# KiCad board peripheral_board_v1a.kicad_pcb
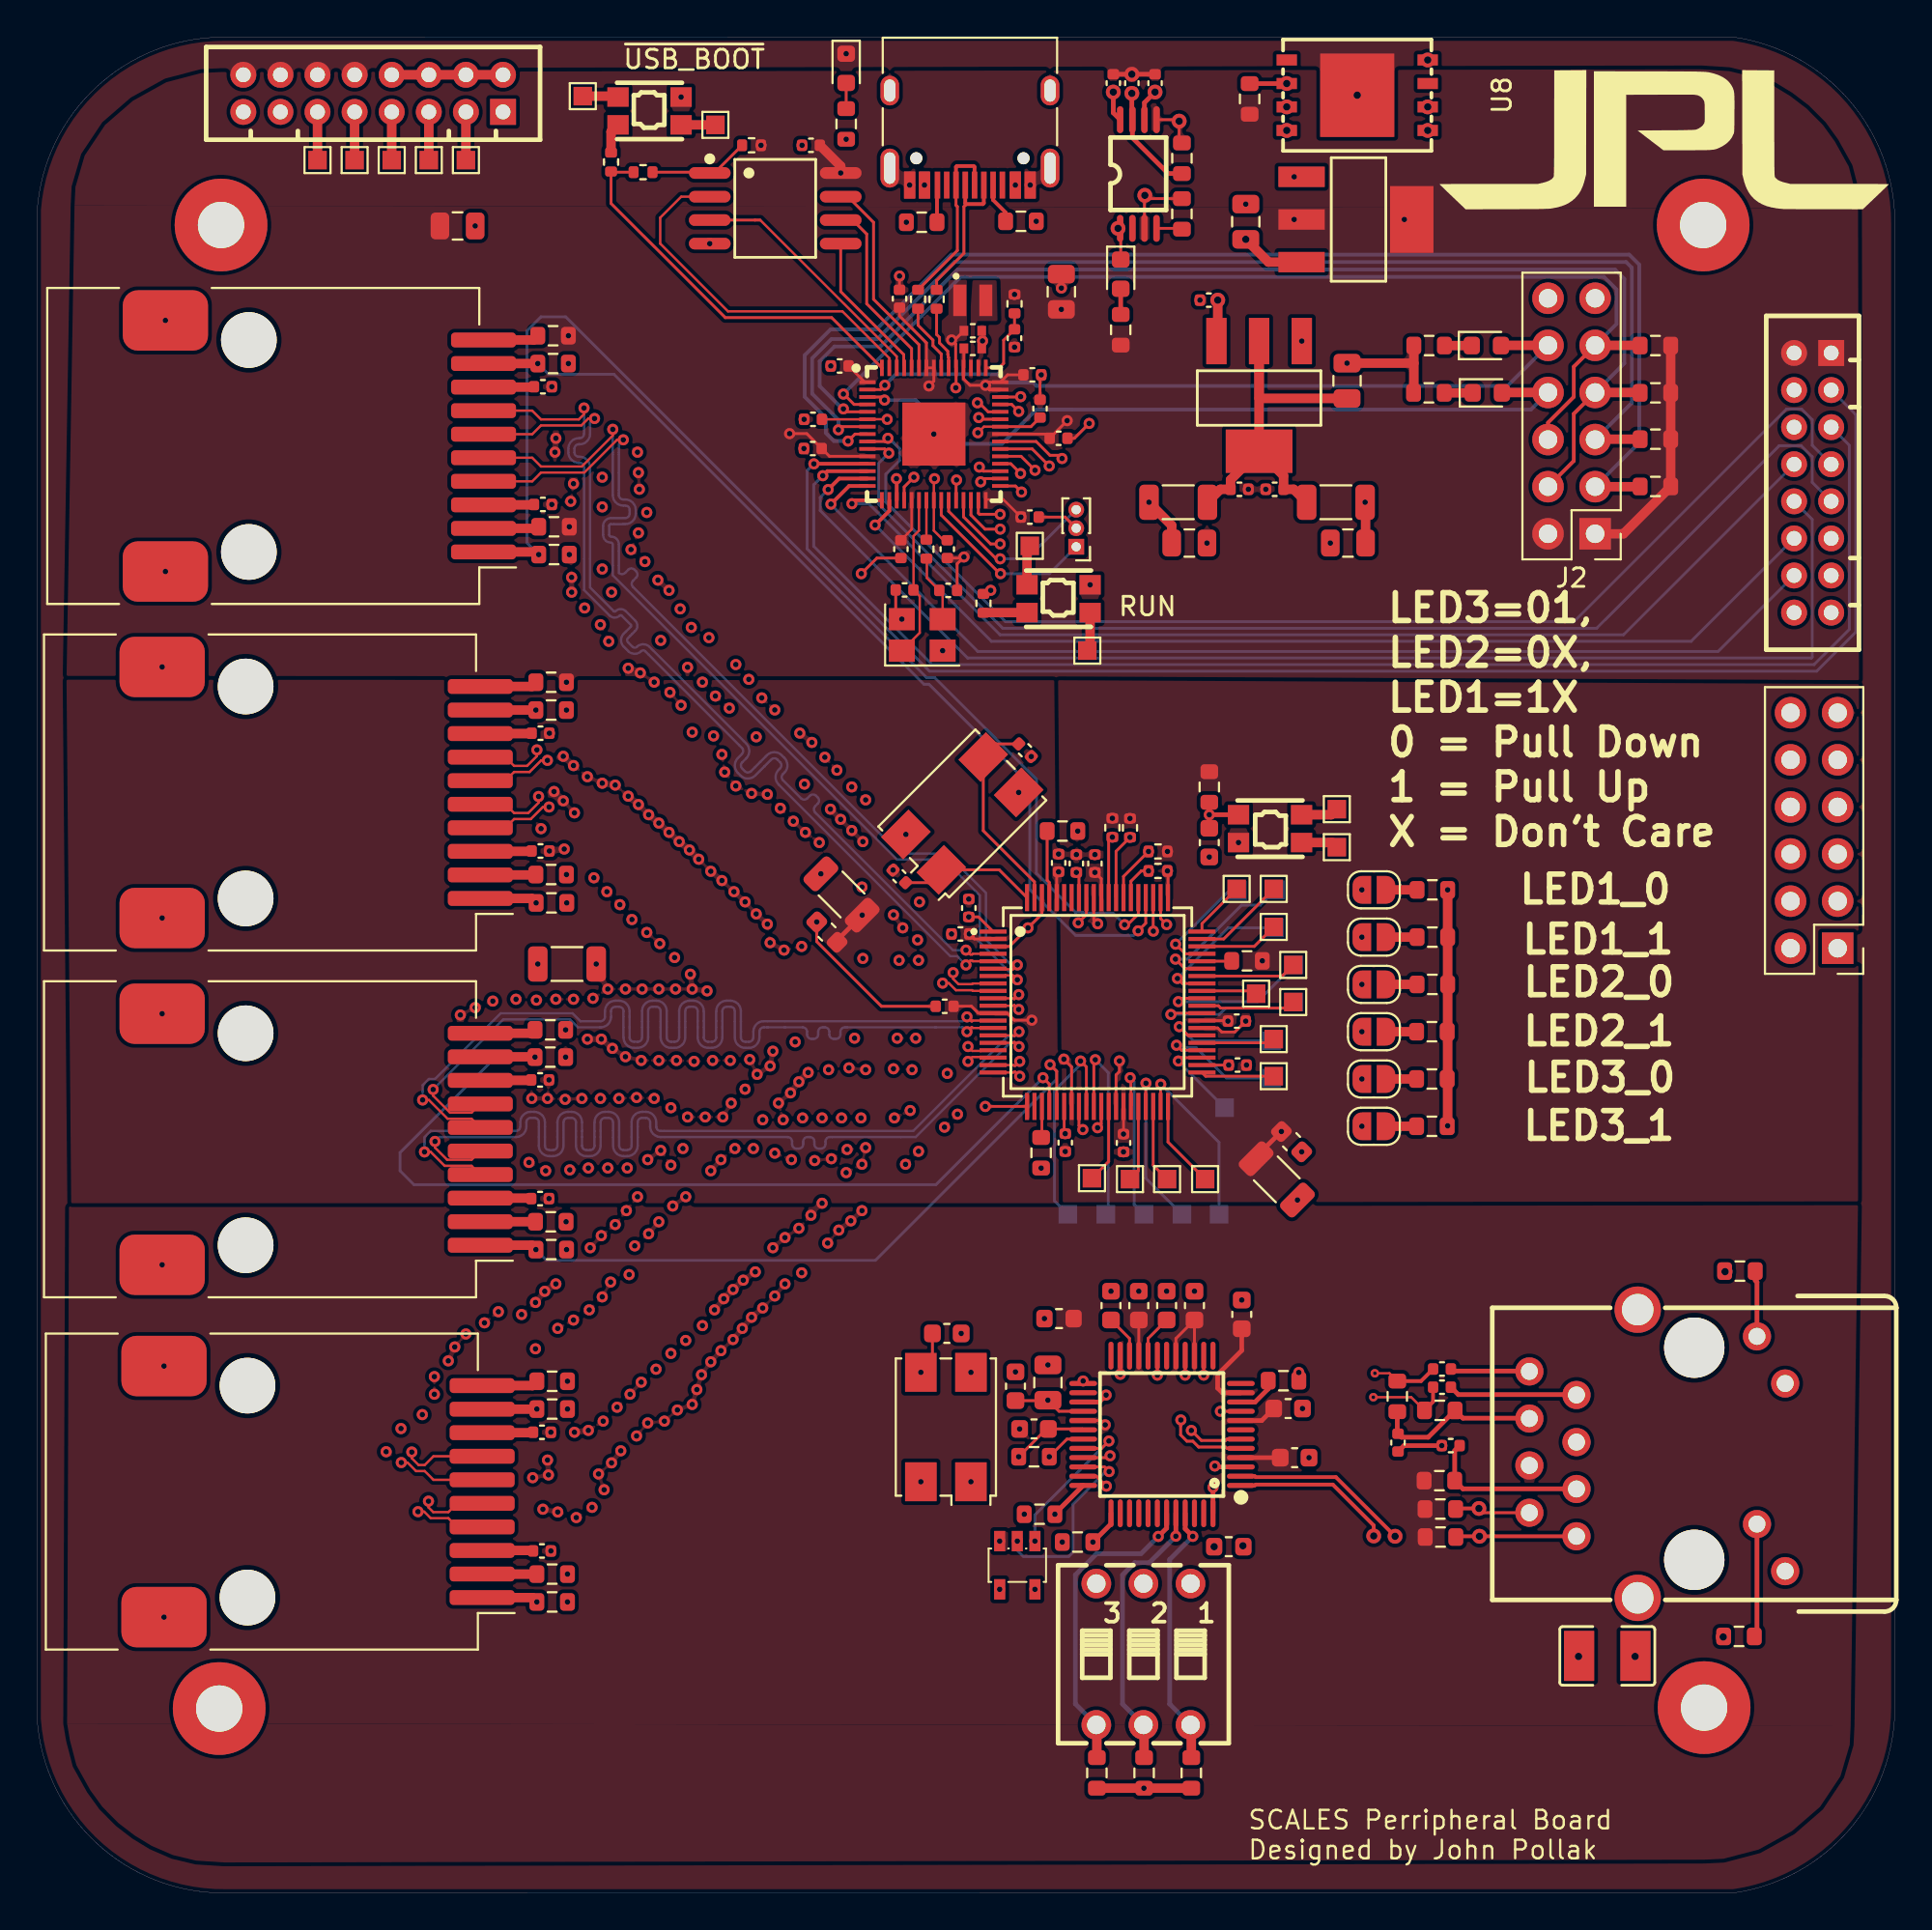
[diagram p0: board, top side]
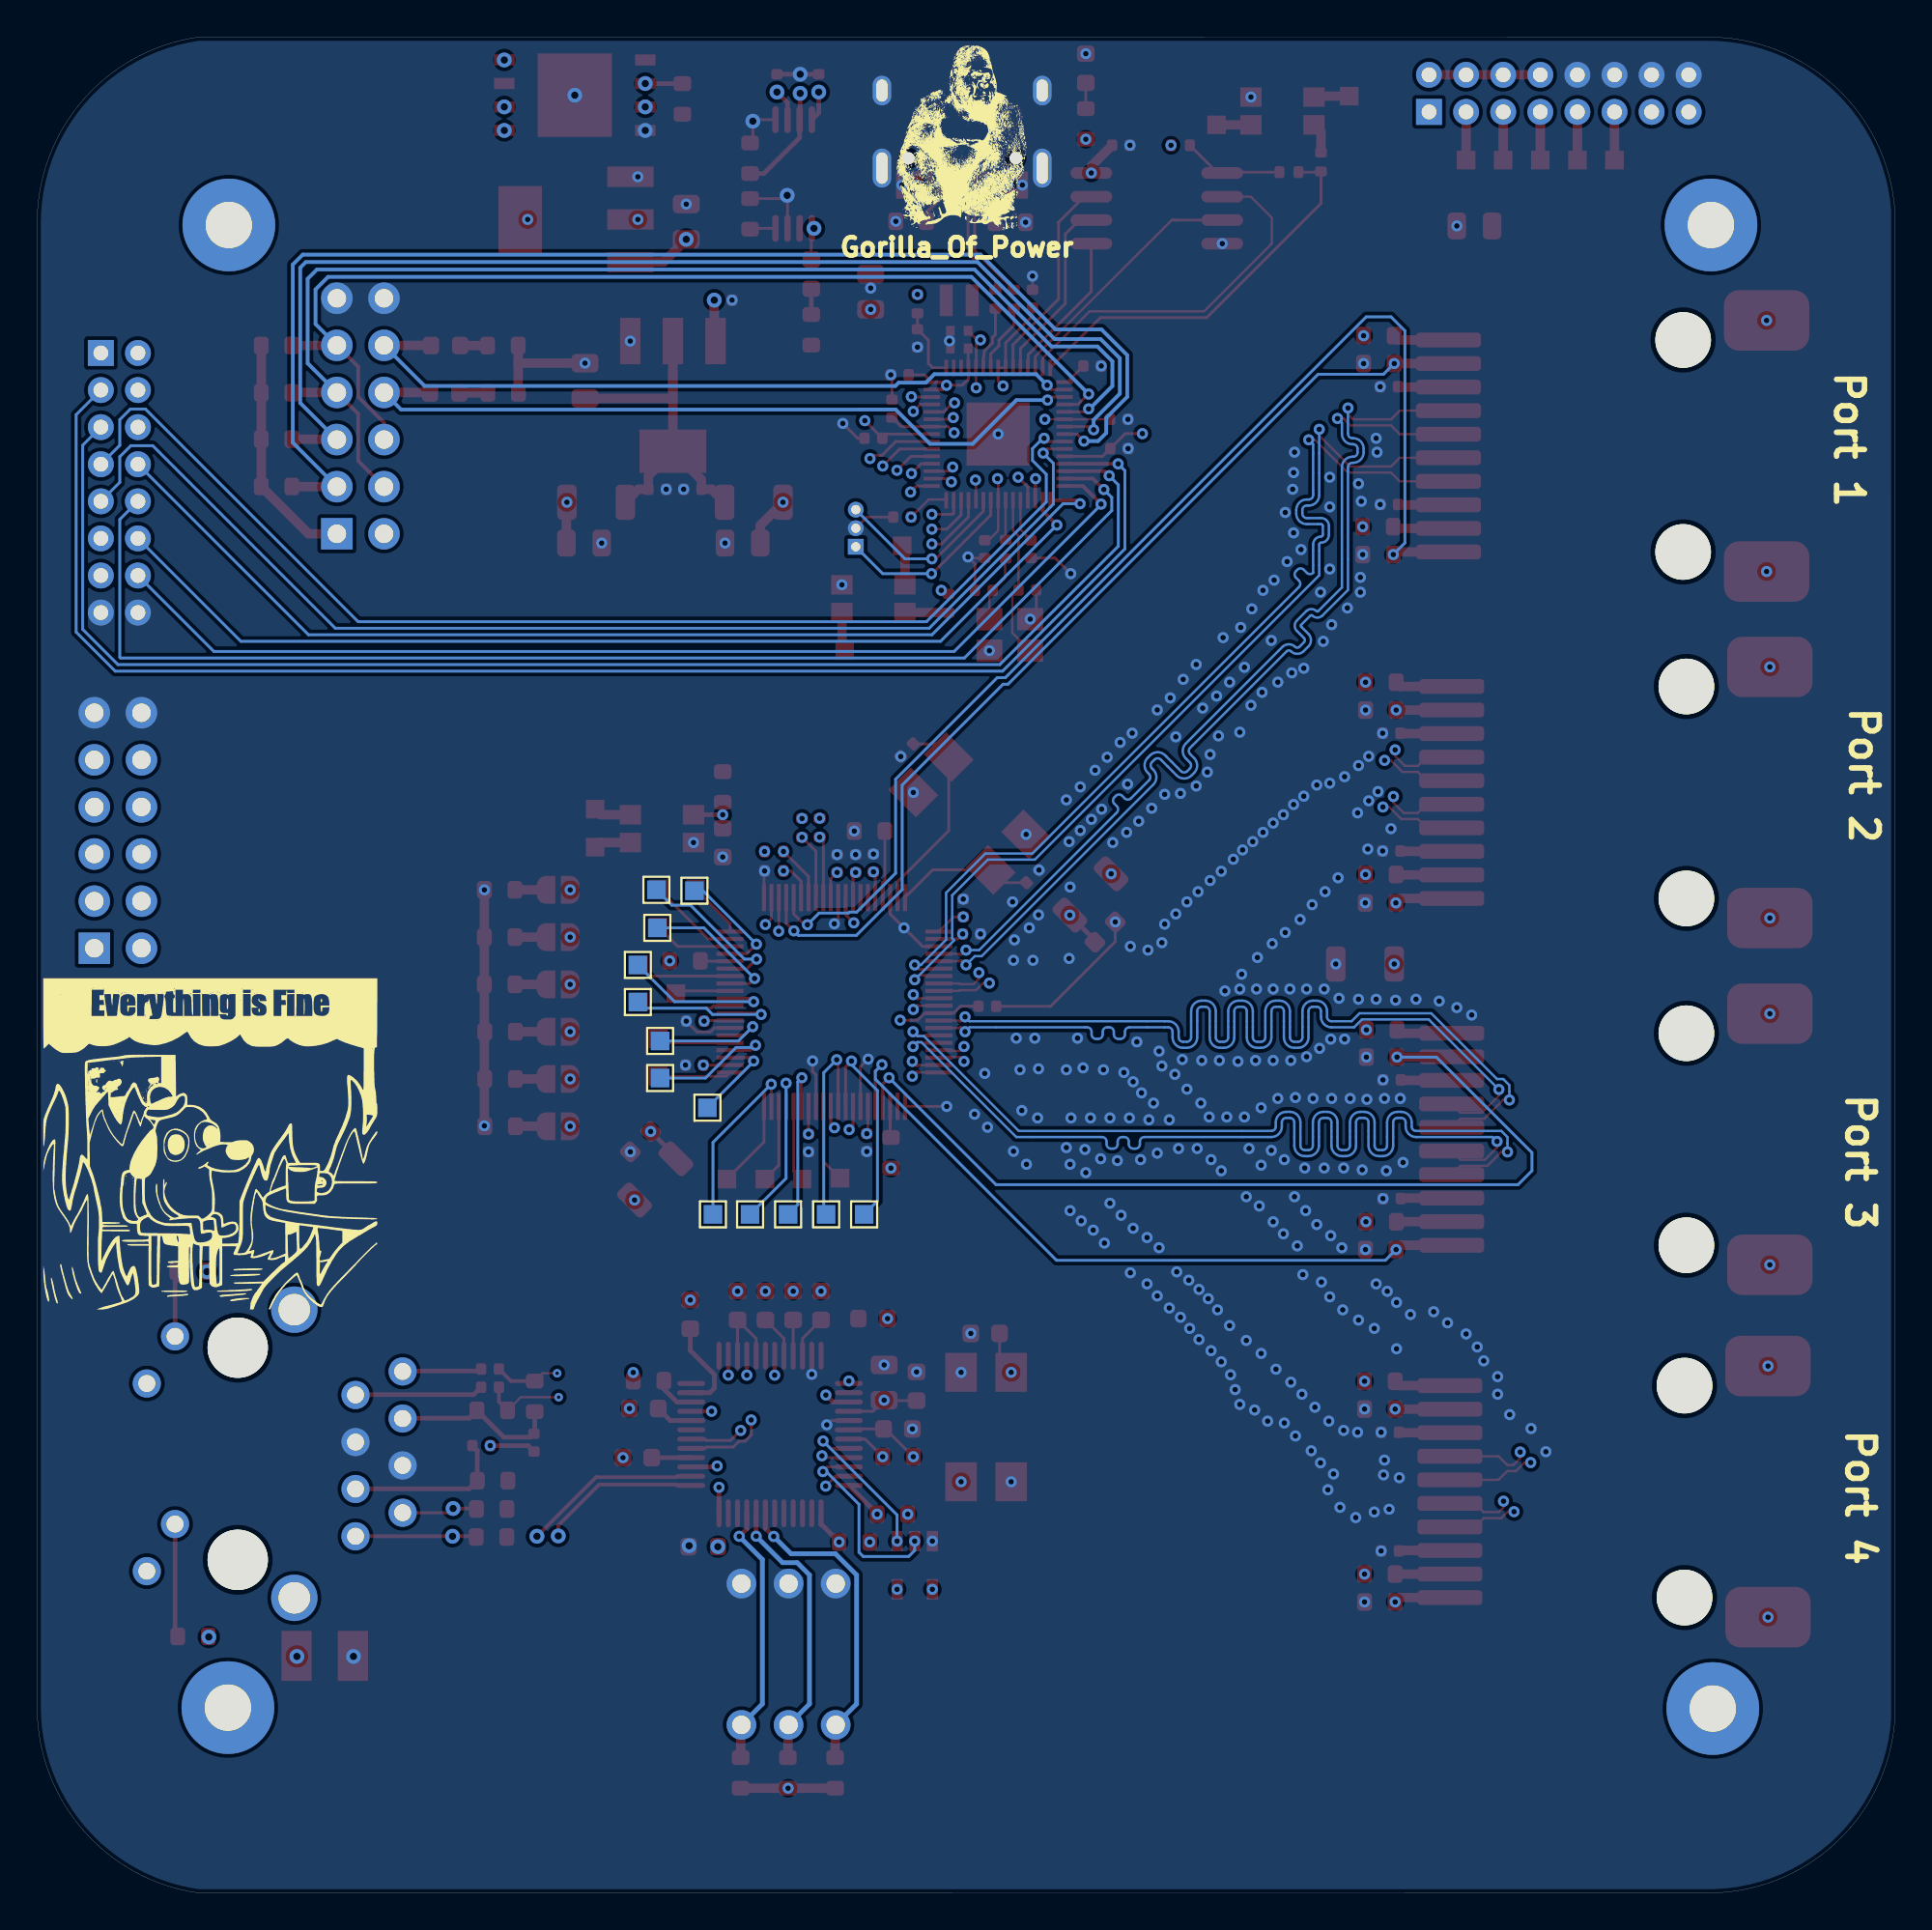
[diagram p1: board, bottom side, seen from below]

Outline 100.15 x 100.08 mm; copper layers: F.Cu_SIG, In1.Cu_GND, In2.Cu_PWR, In3.Cu_SIG, In4.Cu_GND, B.Cu_SIG. Coordinates in mm from the lower left corner of the outline.
Outline path: 0,9.38 0,90.73 arc(3.2,97.38) 10.08,100.08 91.46,100.07 arc(97.69,96.67) 100.15,90 100.15,10.03 arc(97.67,3.39) 91.45,0 10.18,0 arc(3.22,2.67) 0,9.38
Stack: F.Cu_SIG 0.035mm / dielectric 0.1mm FR4 er 4.5 / In1.Cu_GND 0.035mm / dielectric 0.535mm FR4 er 4.5 / In2.Cu_PWR 0.035mm / dielectric 0.1mm FR4 er 4.5 / In3.Cu_SIG 0.035mm / dielectric 0.535mm FR4 er 4.5 / In4.Cu_GND 0.035mm / dielectric 0.1mm FR4 er 4.5 / B.Cu_SIG 0.035mm

## Placement (name value [footprint] x y rotation side)
C1  4.7uF  [C_0402_1005Metric_small_pads]  50.44 83.29 0 top
C2  4.7uF  [C_0402_1005Metric_small_pads]  50.44 84.24 0 top
C3  100nF  [C_0402_1005Metric]  41.83 79.46 180 top
C4  15pF  [C_0402_1005Metric]  46.77 70.26 0 top
C5  15pF  [C_0402_1005Metric]  49.12 70.24 180 top
C6  4.7uF  [C_0402_1005Metric]  49.07 72.46 270 top
C7  4.7uF  [C_0402_1005Metric]  52.69 83.84 270 top
C8  100nF  [C_0402_1005Metric]  54.07 80.04 90 top
C9  100nF  [C_0402_1005Metric]  46.49 85.97 90 top
C10  100nF  [C_0402_1005Metric]  43.27 82.34 180 top
C11  100nF  [C_0402_1005Metric]  55.07 78.44 0 top
C12  100nF  [C_0402_1005Metric]  41.82 77.89 180 top
C13  100nF  [C_0402_1005Metric]  53.52 74.19 0 top
C14  100nF  [C_0402_1005Metric]  53.65 81.86 0 top
C15  100nF  [C_0402_1005Metric]  46.57 72.46 270 top
C16  10uF  [C_0805_2012Metric]  65.16 90.12 270 top
C17  22uF  [C_0805_2012Metric]  55.22 86.34 270 top
C18  10uF  [C_0805_2012Metric]  22.67 89.89 0 top
C19  100nF  [C_0402_1005Metric]  41.72 94.24 180 top
C20  10uF  [C_0603_1608Metric]  60.89 31.67 90 top
C21  100nF  [C_0603_1608Metric]  57.89 31.67 90 top
C22  10uF  [C_0805_2012Metric]  54.49 27.52 270 top
C23  100nF  [C_0603_1608Metric]  52.74 27.32 270 top
C24  100nF  [C_0603_1608Metric]  64.94 31.2 270 top
C25  100nF  [C_0603_1608Metric]  67.79 23.47 180 top
C26  18pF  [C_0603_1608Metric]  53.74 25.02 0 top
C27  100nF  [C_0603_1608Metric]  59.39 31.67 270 top
C28  100nF  [C_0603_1608Metric]  62.39 31.67 270 top
C29  18pF  [C_0603_1608Metric]  49.04 30.17 180 top
C30  10uF  [C_0603_1608Metric]  67.44 26.12 180 top
C31  10nF  [C_0402_1005Metric]  73.37 24.28 90 top
C32  6.8nF  [C_0402_1005Metric]  75.74 27.27 0 top
C33  6.8nF  [C_0402_1005Metric]  75.74 28.25 0 top
C34  1nF/2kV  [C1210]  84.65 12.78 180 top
C35  10nF  [C_0402_1005Metric]  76.21 24.12 0 top
C36  100nF  [C_0402_1005Metric]  55.43 40.46 90 top
C37  100nF  [C_0402_1005Metric]  58.57 40.44 90 top
C38  100nF  [C_0402_1005Metric]  49.78 51.71 0 top
C39  100nF  [C_0402_1005Metric]  48.93 47.81 0 top
C40  100nF  [C_0402_1005Metric]  50.23 53.11 270 top
C41  100nF  [C_0402_1005Metric]  55.07 55.54 270 top
C42  100nF  [C_0402_1005Metric]  56.03 55.51 270 top
C43  100nF  [C_0402_1005Metric]  64.72 44.64 180 top
C44  100nF  [C_0402_1005Metric]  57.03 55.51 270 top
C45  18pF  [C_0402_1005Metric]  46.48 54.82 135 top
C46  18pF  [C_0402_1005Metric]  53.26 61.62 315 top
C47  100nF  [C_0402_1005Metric]  64.68 47.01 180 top
C48  100nF  [C_0402_1005Metric]  63.17 85.89 0 top
C49  100uF  [C_0805_2012Metric]  70.62 81.54 270 top
C50  100nF  [C_0402_1005Metric]  64.82 75.69 180 top
C51  10uF  [C_0603_1608Metric]  63.19 56.64 270 top
C52  100nF  [C_0402_1005Metric]  66.72 75.69 0 top
C53  22uF  [C_0603_1608Metric]  42.58 51.81 135 top
C54  100uF  [C_0805_2012Metric]  62.12 72.79 180 top
C55  100uF  [C_0805_2012Metric]  70.67 72.79 0 top
C56  22uF  [C_0603_1608Metric]  67.63 40.51 315 top
C57  100nF  [C_0402_1005Metric]  27.27 74.87 0 top
C58  100nF  [C_0402_1005Metric]  27.27 81.22 0 top
C59  100nF  [C_0402_1005Metric]  27.14 56.19 0 top
C60  100nF  [C_0402_1005Metric]  27.14 62.54 0 top
C61  100nF  [C_0402_1005Metric]  27.12 37.44 0 top
C62  100nF  [C_0402_1005Metric]  27.12 43.84 0 top
C63  100nF  [C_0402_1005Metric]  27.22 18.44 0 top
C64  100nF  [C_0402_1005Metric]  27.22 24.84 0 top
C65  100nF  [C_0402_1005Metric]  58.02 97.59 90 top
C66  100nF  [C_0402_1005Metric]  60.27 97.59 90 top
C67  10uF  [C_0402_1005Metric]  59.02 97.59 270 top
CN1  Power Board Connector  [CONN-TH_DF11-16DP-2DSA-08]  18.12 97.04 0 top
CN2  DF11-16DP-2DSA(08)  [CONN-TH_DF11-16DP-2DSA-08]  95.72 76.04 90 top
D1  LED  [LED_0603_1608Metric]  43.62 98.39 270 top
D2  LED  [LED_0603_1608Metric]  78.18 80.89 0 top
D3  LED  [LED_0603_1608Metric]  78.13 83.44 0 top
D4  LED  [LED_0603_1608Metric]  58.42 87.29 270 top
FB1  HH-1M1608-121JT  [L_0603_1608Metric]  55.09 30.97 0 top
FB2  HH-1M1608-121JT  [L_0603_1608Metric]  64.24 18.67 180 top
FB3  FerriteBead  [L_1206_3216Metric]  28.57 50.09 0 top
FB4  FerriteBead  [L_1206_3216Metric]  61.52 74.99 180 top
FB5  FerriteBead  [L_1206_3216Metric]  43.37 53.84 315 top
FB6  FerriteBead  [L_1206_3216Metric]  70.02 74.99 0 top
FB7  FerriteBead  [L_1206_3216Metric]  66.83 38.48 135 top
G***  -  [LOGO]  87.72 94.54 0 top
G***#2  -  [LOGO]  90.82 40.39 180 bottom
Gorilla_Of_Power  -  [LOGO]  50.33 94.66 180 bottom
H1  MountingHole  [MountingHole_2.5mm_Pad]  9.92 89.94 0 top
H2  MountingHole  [MountingHole_2.5mm_Pad]  89.82 89.94 0 top
H3  MountingHole  [MountingHole_2.5mm_Pad]  89.87 9.99 0 top
H4  MountingHole  [MountingHole_2.5mm_Pad]  9.82 9.94 0 top
J1  Conn_01x03_Pin  [PinHeader_1x03_P1.00mm_Vertical]  56.02 72.59 180 top
J2  Conn_02x06_Odd_Even  [PinHeader_2x06_P2.54mm_Vertical]  83.99 73.29 180 top
J3  Conn_02x06_Odd_Even  [PinHeader_2x06_P2.54mm_Vertical]  97.07 50.94 180 top
J4  USB_C_Receptacle_USB2.0_16P  [USB_C_Receptacle_HRO_TYPE-C-31-M-12]  50.29 96.14 180 top
J5  RJ45_Pulse_JXD6-0001NL  [RJ45_Pulse_JXD6-0001NL_Horizontal]  12.19 78.03 180 top
J6  RJ45_Pulse_JXD6-0001NL  [RJ45_Pulse_JXD6-0001NL_Horizontal]  12.02 59.34 180 top
J7  RJ45_Pulse_JXD6-0001NL  [RJ45_Pulse_JXD6-0001NL_Horizontal]  12.02 40.64 180 top
J8  RJ45_Pulse_JXD6-0001NL  [RJ45_Pulse_JXD6-0001NL_Horizontal]  12.12 21.64 180 top
JP1  SolderJumper_2_Open  [SolderJumper-2_P1.3mm_Open_RoundedPad1.0x1.5mm]  72.07 54.09 0 top
JP2  SolderJumper_2_Open  [SolderJumper-2_P1.3mm_Open_RoundedPad1.0x1.5mm]  72.07 51.54 0 top  (not fitted)
JP3  SolderJumper_2_Open  [SolderJumper-2_P1.3mm_Open_RoundedPad1.0x1.5mm]  72.07 48.99 0 top
JP4  SolderJumper_2_Open  [SolderJumper-2_P1.3mm_Open_RoundedPad1.0x1.5mm]  72.07 46.44 0 top
JP5  SolderJumper_2_Open  [SolderJumper-2_P1.3mm_Open_RoundedPad1.0x1.5mm]  72.07 43.89 0 top  (not fitted)
JP6  SolderJumper_2_Open  [SolderJumper-2_P1.3mm_Open_RoundedPad1.0x1.5mm]  72.07 41.34 0 top
L1  3.3uH  [IND-SMD_L2.0-W1.6_AOTA-B201610S3R3-101-T]  50.39 85.93 0 top
R1  1k  [R_0402_1005Metric]  30.94 93.34 90 top
R2  33  [R_0402_1005Metric]  52.69 85.69 90 top
R3  1k  [R_0402_1005Metric]  51.02 69.54 270 top
R4  1k  [R_0402_1005Metric]  47.94 72.46 90 top
R5  27  [R_0402_1005Metric]  47.49 85.94 270 top
R6  27  [R_0402_1005Metric]  48.49 85.94 270 top
R7  4.7k  [R_0603_1608Metric]  87.24 75.84 0 top
R8  10k  [R_0603_1608Metric]  43.62 95.39 270 top
R9  4.7k  [R_0603_1608Metric]  87.24 78.39 0 top
R10  4.7k  [R_0603_1608Metric]  87.24 80.89 0 top
R11  1k  [R_0603_1608Metric]  75.03 80.89 180 top
R12  4.7k  [R_0603_1608Metric]  87.24 83.44 0 top
R13  1k  [R_0603_1608Metric]  75.04 83.44 180 top
R14  10k  [R_0603_1608Metric]  65.37 96.74 90 top
R15  0  [R_0402_1005Metric]  32.67 92.79 0 top
R16  5.1k  [R_0603_1608Metric]  53.04 90.14 180 top
R17  5.1k  [R_0603_1608Metric]  47.69 90.09 0 top
R18  12.4k  [R_0603_1608Metric]  67.19 27.62 180 top
R19  10k  [R_0603_1608Metric]  57.13 6.47 270 top
R20  10k  [R_0603_1608Metric]  59.68 6.47 270 top
R21  10k  [R_0603_1608Metric]  62.22 6.47 270 top
R22  4.7k  [R_0603_1608Metric]  56.09 18.92 180 top
R23  4.7k  [R_0603_1608Metric]  54.04 20.42 180 top
R25  1M  [R_0603_1608Metric]  53.74 23.52 0 top
R26  49.9  [R_0603_1608Metric]  75.62 26.02 180 top
R27  330  [R_0603_1608Metric]  91.8 33.53 180 top
R28  49.9  [R_0603_1608Metric]  73.33 26.78 90 top
R29  330  [R_0603_1608Metric]  91.75 13.83 0 top
R30  10  [R_0603_1608Metric]  75.6 22.23 180 top
R31  49.9  [R_0603_1608Metric]  75.65 20.7 180 top
R32  49.9  [R_0603_1608Metric]  75.66 19.19 180 top
R33  4.7k  [R_0603_1608Metric]  54.13 39.91 90 top
R34  4.7k  [R_0603_1608Metric]  65.23 50.26 180 top
R35  12.4k  [R_0603_1608Metric]  55.28 57.26 0 top
R36  10k  [R_0402_1005Metric]  57.97 57.44 90 top
R37  4.7k  [R_0402_1005Metric]  58.92 57.43 90 top
R38  10k  [R_0402_1005Metric]  60.43 56.16 0 top
R39  330  [R_0402_1005Metric]  60.43 55.11 180 top
R40  750  [R_0603_1608Metric]  75.22 54.09 0 top
R41  750  [R_0603_1608Metric]  75.22 51.54 0 top
R42  750  [R_0603_1608Metric]  75.22 48.99 0 top
R43  750  [R_0603_1608Metric]  75.19 46.44 0 top
R44  750  [R_0603_1608Metric]  75.19 43.89 0 top
R45  750  [R_0603_1608Metric]  75.19 41.34 0 top
R46  10k  [R_0603_1608Metric]  63.19 59.64 270 top
R47  1k  [R_0603_1608Metric]  27.82 83.97 0 top
R48  1k  [R_0603_1608Metric]  27.82 82.47 0 top
R49  1k  [R_0603_1608Metric]  27.87 73.67 0 top
R50  1k  [R_0603_1608Metric]  27.87 72.17 0 top
R51  1k  [R_0603_1608Metric]  27.71 65.29 0 top
R52  1k  [R_0603_1608Metric]  27.71 63.79 0 top
R53  1k  [R_0603_1608Metric]  27.71 54.92 0 top
R54  1k  [R_0603_1608Metric]  27.73 53.39 0 top
R55  1k  [R_0603_1608Metric]  27.67 46.54 0 top
R56  1k  [R_0603_1608Metric]  27.67 45.07 0 top
R57  1k  [R_0603_1608Metric]  27.69 36.19 0 top
R58  1k  [R_0603_1608Metric]  27.72 34.69 0 top
R59  1k  [R_0603_1608Metric]  27.77 27.59 0 top
R60  1k  [R_0603_1608Metric]  27.77 26.09 0 top
R61  1k  [R_0603_1608Metric]  27.77 17.19 0 top
R62  1k  [R_0603_1608Metric]  27.77 15.69 0 top
R63  10k  [R_0402_1005Metric]  38.52 94.24 180 top
R64  50  [R_0603_1608Metric]  61.72 93.54 270 top
R65  400  [R_0603_1608Metric]  61.72 90.54 270 top
R66  10k  [R_0603_1608Metric]  58.42 84.29 270 top
RJ1  RB1-125BAG1A  [RJ45-TH_RB1-125BAG1A]  87.35 23.68 90 top
SW1  EVPAA602W  [KEY-TH_4P-L3.5-W4.9-P2.80-LS4.3]  33.02 96.09 180 top
SW2  EVPAA602W  [KEY-TH_4P-L3.5-W4.9-P2.80-LS4.3]  55.07 69.79 180 top
SW3  3_Pin_Dip_Switch_DSWB03LHGET_C25503178  [SW-TH_DSWB03LHGET]  59.64 12.87 180 top
SW4  EVPAA602W  [KEY-TH_4P-L3.5-W4.9-P2.80-LS4.3]  66.47 57.39 0 top
TP1  TestPoint  [TestPoint_Pad_1.0x1.0mm]  56.62 66.99 180 top
TP2  TestPoint  [TestPoint_Pad_1.0x1.0mm]  36.57 95.34 0 top
TP3  TestPoint  [TestPoint_Pad_1.0x1.0mm]  29.42 96.89 0 top
TP4  TestPoint  [TestPoint_Pad_1.0x1.0mm]  53.52 72.64 0 top
TP5  TestPoint  [TestPoint_Pad_1.0x1.0mm]  23.12 93.44 180 top
TP6  TestPoint  [TestPoint_Pad_1.0x1.0mm]  21.12 93.44 180 top
TP7  TestPoint  [TestPoint_Pad_1.0x1.0mm]  19.12 93.44 180 top
TP8  TestPoint  [TestPoint_Pad_1.0x1.0mm]  17.12 93.44 180 top
TP9  TestPoint  [TestPoint_Pad_1.0x1.0mm]  15.12 93.44 180 top
TP10  TestPoint  [TestPoint_Pad_1.0x1.0mm]  55.57 36.59 0 bottom
TP11  TestPoint  [TestPoint_Pad_1.0x1.0mm]  57.62 36.59 0 bottom
TP12  TestPoint  [TestPoint_Pad_1.0x1.0mm]  56.87 38.54 0 top
TP13  TestPoint  [TestPoint_Pad_1.0x1.0mm]  59.67 36.59 0 bottom
TP14  TestPoint  [TestPoint_Pad_1.0x1.0mm]  58.92 38.49 0 top
TP15  TestPoint  [TestPoint_Pad_1.0x1.0mm]  61.72 36.59 0 bottom
TP16  TestPoint  [TestPoint_Pad_1.0x1.0mm]  60.92 38.49 0 top
TP17  TestPoint  [TestPoint_Pad_1.0x1.0mm]  63.72 36.59 0 bottom
TP18  TestPoint  [TestPoint_Pad_1.0x1.0mm]  62.97 38.49 0 top
TP19  TestPoint  [TestPoint_Pad_1.0x1.0mm]  64.67 54.14 0 top
TP20  TestPoint  [TestPoint_Pad_1.0x1.0mm]  66.67 54.14 0 top
TP21  TestPoint  [TestPoint_Pad_1.0x1.0mm]  66.67 52.09 0 top
TP22  TestPoint  [TestPoint_Pad_1.0x1.0mm]  64.72 54.04 180 bottom
TP23  TestPoint  [TestPoint_Pad_1.0x1.0mm]  66.77 54.09 180 bottom
TP24  TestPoint  [TestPoint_Pad_1.0x1.0mm]  67.72 50.04 0 top
TP25  TestPoint  [TestPoint_Pad_1.0x1.0mm]  66.72 52.04 180 bottom
TP26  TestPoint  [TestPoint_Pad_1.0x1.0mm]  65.72 48.49 0 top
TP27  TestPoint  [TestPoint_Pad_1.0x1.0mm]  67.77 50.04 180 bottom
TP28  TestPoint  [TestPoint_Pad_1.0x1.0mm]  67.72 48.04 0 top
TP29  TestPoint  [TestPoint_Pad_1.0x1.0mm]  67.77 48.04 180 bottom
TP30  TestPoint  [TestPoint_Pad_1.0x1.0mm]  66.57 45.94 180 bottom
TP31  TestPoint  [TestPoint_Pad_1.0x1.0mm]  66.67 46.04 0 top
TP32  TestPoint  [TestPoint_Pad_1.0x1.0mm]  66.57 43.94 180 bottom
TP33  TestPoint  [TestPoint_Pad_1.0x1.0mm]  64.02 42.34 180 bottom
TP34  TestPoint  [TestPoint_Pad_1.0x1.0mm]  66.67 44.04 0 top
TP35  TestPoint  [TestPoint_Pad_1.0x1.0mm]  70.07 58.44 0 top
TP36  TestPoint  [TestPoint_Pad_1.0x1.0mm]  70.07 56.39 180 top
U1  RP2350A_C42411118  [QFN-60_L7.0-W7.0-P0.40-TL-EP3.4]  48.34 78.67 0 top
U2  AZ1117CH-3.3TRG1  [SOT-223-3_L6.5-W3.4-P2.30-LS7.0-BR]  71.14 90.24 180 top
U3  W25Q128JVSIQTR  [SOIC-8_L5.3-W5.3-P1.27-LS8.0-BL]  39.79 90.84 270 top
U4  W5500  [LQFP-48_L7.0-W7.0-P0.50-LS9.0-BL]  60.64 24.72 90 top
U5  SN74AHC1G125DBVR  [SOT-23-5_L3.0-W1.7-P0.95-LS2.8-BR]  52.84 17.67 90 top
U6  KSZ8795CLXIC  [LQFP-80_L10.0-W10.0-P0.40-LS12.2-BL]  57.17 48.04 270 top
U7  AZ1117CH-1.2TRG1  [SOT-223-3_L6.5-W3.4-P2.30-LS7.0-BR]  65.88 80.71 90 top
U8  XTSDG08GWSIGA  [W-PDFN-8_L8.0-W6.0-P1.27-BL-EP]  71.17 96.94 270 top
U9  TPS2115APW  [TSSOP-8_L4.4-W3.0-P0.65-LS6.4-BL]  59.37 92.69 0 top
Y1  ABM8-272-T3  [Crystal_SMD_3225-4Pin_3.2x2.5mm]  47.72 67.84 0 top
Y2  25MHz  [Crystal_SMD_7050-4Pin_7.0x5.0mm]  48.99 25.12 90 top
Y3  ABMM-25.000MHZ-B2-T  [Crystal_SMD_7050-4Pin_7.0x5.0mm]  49.88 58.21 45 top

## Library data of the parts
C1 C2 C6 C7 = -: LCSC: C23733; ki_fp_filters: C_*
C3 C8-C15 C19 C65 C66 = -: LCSC: C1525; ki_fp_filters: C_*
C4 C5 = -: Description: Unpolarized capacitor; LCSC: C1548; ki_fp_filters: C_*
C16 C22 = -: Description: Unpolarized capacitor; LCSC: C1713; ki_fp_filters: C_*
C17 = -: Description: Unpolarized capacitor; LCSC: C5674; ki_fp_filters: C_*
C18 = -: LCSC: C1713; ki_fp_filters: C_*
C20 C30 = -: Description: Unpolarized capacitor; LCSC: C1691; ki_fp_filters: C_*
C21 C23-C25 C27 C28 = -: Description: Unpolarized capacitor; LCSC: C1590; ki_fp_filters: C_*
C26 C29 = -: Description: Unpolarized capacitor; LCSC: C1647; ki_fp_filters: C_*
C31 C35 = -: Description: Unpolarized capacitor; LCSC: C15195; ki_fp_filters: C_*
C32 C33 = -: Description: Unpolarized capacitor; LCSC: C1542; ki_fp_filters: C_*
C34 = -: Datasheet: https://lcsc.com/product-detail/Multilayer-Ceramic-Capacitors-MLCC-SMD-SMT_PSA-Prosperity-Dielectrics-FV32N102J202EFG_C692314.html; Description: 2kV 1nF C0G ±5% 1210 Multilayer Ceramic Capacitors MLCC - SMD/SMT ROHS; LCSC Part: C692314
C36-C44 C47 C48 C50 C52 C57-C64 = -: Description: Unpolarized capacitor; LCSC: C1525; ki_fp_filters: C_*
C45 C46 = -: Description: Unpolarized capacitor; LCSC: C1555; ki_fp_filters: C_*
C49 C54 C55 = -: Description: Unpolarized capacitor; LCSC: C141660; ki_fp_filters: C_*
C51 = -: Description: Unpolarized capacitor; JLC: C1691; ki_fp_filters: C_*
C53 C56 = -: Description: Unpolarized capacitor; LCSC: C59461; ki_fp_filters: C_*
C67 = -: LCSC: C15525; ki_fp_filters: C_*
CN1 CN2 = -: Datasheet: https://lcsc.com/product-detail/Wire-To-Board-Wire-To-Wire-Connector_HRS-Hirose-HRS-DF11-16DP-2DSA-08_C530981.html; LCSC Part: C530981
D1-D4 = -: Description: Light emitting diode; Sim.Pins: 1=K 2=A; LCSC: C2286; ki_fp_filters: LED* LED_SMD:* LED_THT:*
FB1 FB2 = -: Description: Ferrite bead; ki_fp_filters: Inductor_* L_* *Ferrite*
FB3-FB7 = -: Datasheet: https://lcsc.com/product-detail/Ferrite-Beads_Laird-HI1206T500R-10_C2441354.html?s_z=n_C2441354; Description: Ferrite bead; LCSC: C2441354; ki_fp_filters: Inductor_* L_* *Ferrite*
H1-H4 = -: Description: Mounting Hole without connection; ki_fp_filters: MountingHole*
J1 = -: Description: Generic connector, single row, 01x03, script generated; LCSC: C2937625; ki_fp_filters: Connector*:*_1x??_*
J2 = -: Description: Generic connector, double row, 02x06, odd/even pin numbering scheme (row 1 odd numbers, row 2 even numbers), script generated (kicad-library-utils/schlib/autogen/connector/); Use: Life make lemons; LCSC: C7501277; ki_fp_filters: Connector*:*_2x??_*
J3 = -: Description: Generic connector, double row, 02x06, odd/even pin numbering scheme (row 1 odd numbers, row 2 even numbers), script generated (kicad-library-utils/schlib/autogen/connector/); Use: GPIO Breakout; LCSC: C7501277; ki_fp_filters: Connector*:*_2x??_*
J4 = -: Datasheet: https://www.usb.org/sites/default/files/documents/usb_type-c.zip; Description: USB 2.0-only 16P Type-C Receptacle connector; LCSC: C2988369; ki_fp_filters: USB*C*Receptacle*
J5-J8 = -: Datasheet: https://productfinder.pulseeng.com/doc_type/WEB301/doc_num/JXD6-0001NL/doc_part/JXD6-0001NL.pdf; Description: LAN Transformer Jack, RJ45, 10/100 BaseT; LCSC link: https://lcsc.com/product-detail/Ethernet-Connectors-Modular-Connectors-RJ45-RJ11_Pulse-Elec-JXD6-0001NL_C5359047.html?s_z=n_C5359047; LCSC: C5359047; ki_fp_filters: RJ45*Pulse*JXD6?0001NL*
JP1-JP6 = -: Description: Solder Jumper, 2-pole, open; ki_fp_filters: SolderJumper*Open*
L1 = -: LCSC Part: C42411119
R1 R3 R4 = -: Description: Resistor, US symbol; LCSC: C852624; ki_fp_filters: R_*
R2 = -: Description: Resistor, US symbol; LCSC: C25105; ki_fp_filters: R_*
R5 R6 = -: Description: Resistor, US symbol; LCSC: C25100; ki_fp_filters: R_*
R7 R9 R10 R12 R22 R23 R33 R34 = -: Description: Resistor, US symbol; LCSC: C23162; ki_fp_filters: R_*
R8 R14 R19-R21 R46 R66 = -: Description: Resistor, US symbol; LCSC: C25804; ki_fp_filters: R_*
R11 R13 R47-R62 = -: Description: Resistor, US symbol; LCSC: C14676; ki_fp_filters: R_*
R15 = -: Description: Resistor, US symbol; LCSC: C17168; ki_fp_filters: R_*
R16 R17 = -: Description: Resistor, US symbol; LCSC: C23186; ki_fp_filters: R_*
R18 = -: Description: Resistor, US symbol; LCSC: C22865; ki_fp_filters: R_*
R25 = -: Description: Resistor, US symbol; LCSC: C22935; ki_fp_filters: R_*
R26 R28 R31 R32 = -: Description: Resistor, US symbol; ki_fp_filters: R_*
R27 R29 = -: Description: Resistor, US symbol; LCSC: C23138; ki_fp_filters: R_*
R30 = -: Description: Resistor, US symbol; LCSC: C22859; ki_fp_filters: R_*
R35 = -: Description: Resistor, US symbol; Tolerance: 1%; LCSC: C22865; ki_fp_filters: R_*
R36 R38 R63 = -: Description: Resistor, US symbol; LCSC: C25744; ki_fp_filters: R_*
R37 = -: Description: Resistor, US symbol; LCSC: C25531; ki_fp_filters: R_*